# Altium PCB PCB1.PcbDoc (continued)
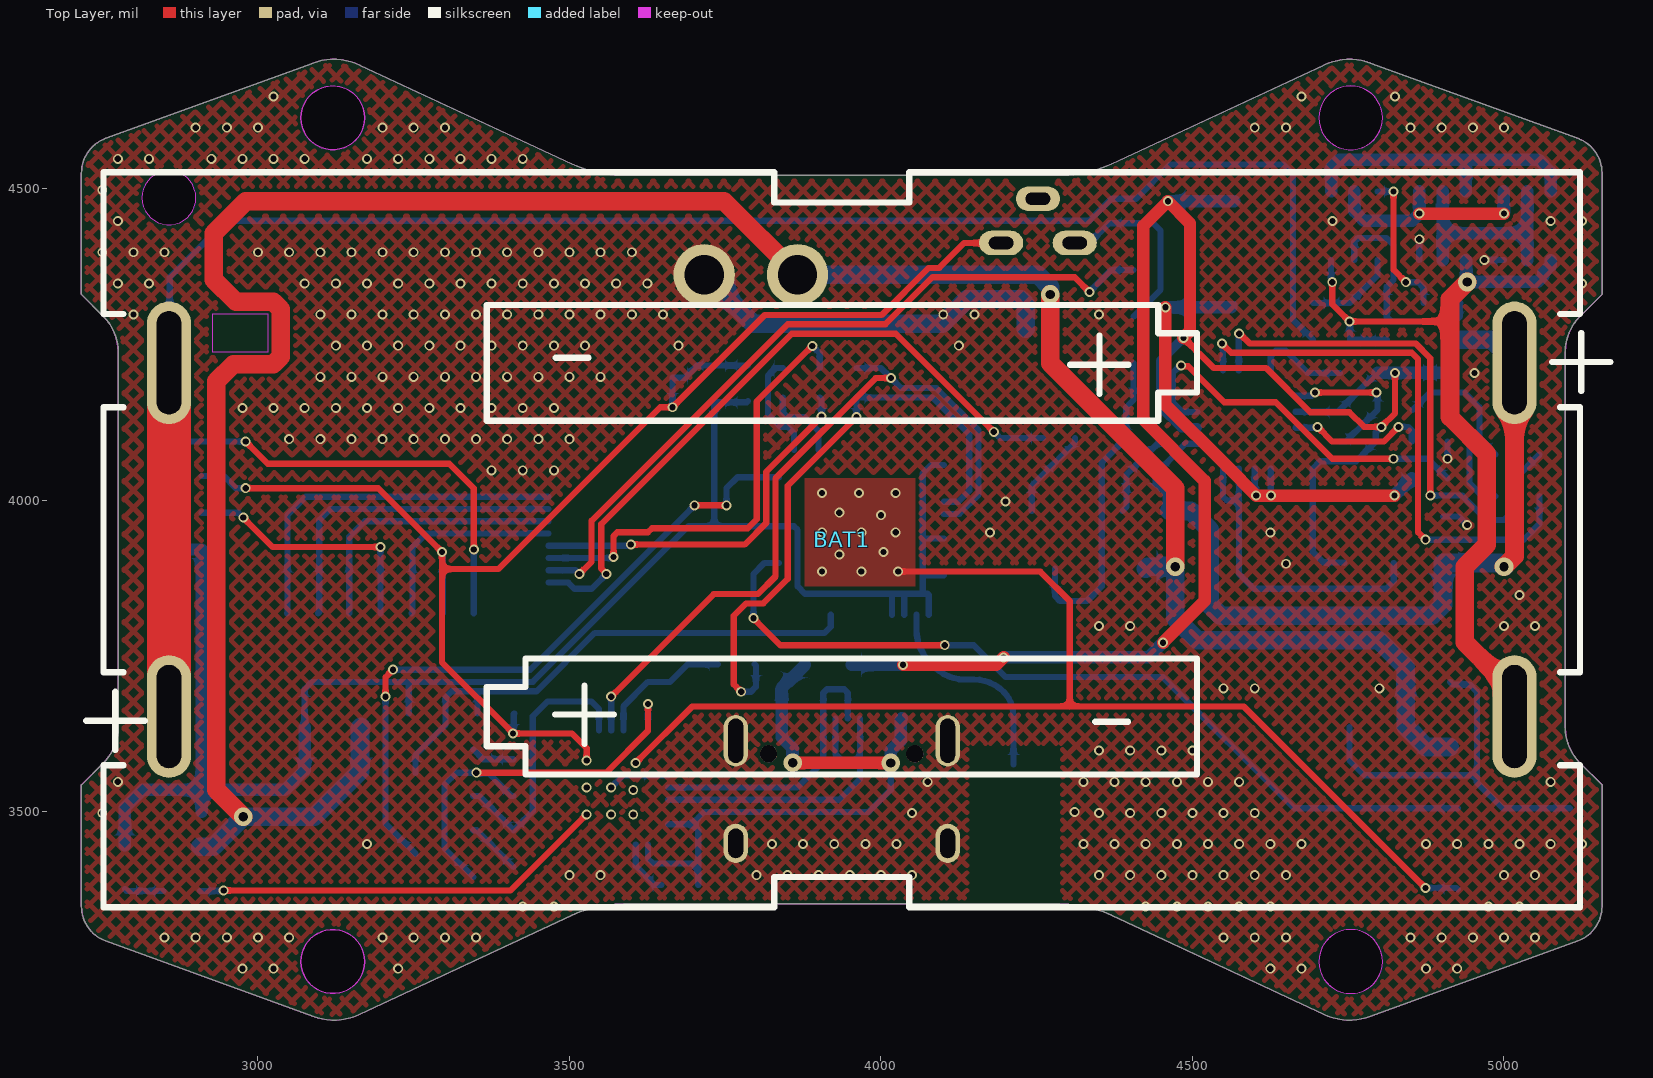
[diagram p0: Top Layer view]
## Nets (pads, with @x,y where several pads share a name; then routed paths per layer and width w, separated by ;. In a path a pad name is that pad's centre, name@x,y a point inside that pad or via, vN(x,y) a via of type N, cw(c..) or ccw(c..) an arc to the next point about the centre after c; other vN are vias at no path point)
3v3: C5.2 C9.2 C10.2 D1.1 K2.3 R20.2 R21.2 U3.2 U6.1 U6.3 U6.4 U6.19 U6.37 U6.43 U6.46 | length 2953.7
  Bottom Layer w10: U3.2 3074.8,3696.85 3086.61,3708.66 3244.09,3708.66 ; R20.2 3242.13,3706.69 3244.09,3708.66 ; C9.2@3786.65,4159.45 3784.68,4157.48 C10.2 3732.28,3958.66 ; U6.4 4017.72,3848.43 4019.68,3850.39 ; U6.3 4037.4,3848.43 4039.37,3850.39 ; U6.1 4076.77,3848.43 4074.8,3850.39 4066.93,3850.39 ; U6.46 4068.9,3879.92 4066.93,3881.89 ; U6.43 4068.9,3938.98 4066.93,3937.01 ; U6.37 4080.66,4057.09 4066.93,4043.35 4066.93,3937.01 ; 3244.09,3708.66 3440.94,3708.66 3690.94,3958.66 3732.28,3958.66 ; 3732.28,3958.66 U6.19 3860.24,3958.66 3866.14,3952.76 3866.14,3862.2 3877.95,3850.39 4019.68,3850.39 ; 4019.68,3850.39 4039.37,3850.39 ; 4039.37,3850.39 4066.93,3850.39 ; 4066.93,3850.39 4066.93,3881.89 ; 4066.93,3881.89 4066.93,3937.01
  Bottom Layer w20: D1.1 2786.4,3506.87 2814.96,3535.43 2909.45,3535.43 ; R21.2 2853.58,3937.76 2870.08,3921.26 K2.3 2909.45,3535.43 ; C5.2 2909.45,3535.43 ; U3.2 3074.8,3566.93 3043.31,3535.43 2909.45,3535.43
5V: C1.2 D7.1 U1.2 | length 629.8
  Bottom Layer w10: U1.2 4751.97,3582.68 4775.59,3559.06 4956.69,3559.06 ; C1.2 4917.32,3704.72 4944.88,3704.72 4956.69,3692.91 4956.69,3559.06 ; D7.1 4997.99,3505.94 4956.69,3547.24 4956.69,3559.06
8V4: C2.2 C6.2 CON1.1 Q1.3 U1.3 U3.3 XS1.1 | length 4214.2
  Top Layer w30: v2(2976.38,3492.13) 2933.07,3535.43 2933.07,4191.29 2960.63,4218.85 3024.74,4218.85 3036.46,4230.56 3036.46,4307.13 3024.74,4318.85 2964.62,4318.85 2929.13,4354.33 2929.13,4429.13 2980.32,4480.31 3748.03,4480.31 XS1.1 ; v2(4271.65,4330.71) 4271.65,4220.47 4472.44,4019.68 v2(4472.44,3893.7)
  Bottom Layer w30: C6.2 2928.39,3444.13 v2(2976.38,3492.13) 3090.55,3492.13 3163.77,3565.35 3163.77,3634.72 U3.3 ; XS1.1 4251.97,4362.2 4271.65,4342.52 v2(4271.65,4330.71) CON1.1 ; Q1.3 4428.15,3893.7 v2(4472.44,3893.7) 4472.44,3811.02 4507.87,3775.59 4799.21,3775.59 4842.52,3732.28 U1.3 4874.49,3604.33 C2.2
BAT: BAT1.3 C11.2 Q1.2 R3.1 R4.2 U5.9 | length 1342.7
  Top Layer w30: v2(5000,3893.7) 5016.93,3910.63 BAT1.3
  Bottom Layer w10: R4.2 4445.63,4047.99 4488.56,4090.92 U5.9
  Bottom Layer w20: R4.2 4445.63,4030.75 4462.6,4013.78 Q1.2
  Bottom Layer w30: Q1.2 4497.05,3983.27 4527.56,3952.76 4527.56,3832.53 4545.13,3814.96 4884.59,3814.96 4902.16,3832.53 C11.2 4994.09,3899.61 v2(5000,3893.7) ; R3.1 4979.92,4257.87 BAT1.3
CP_Rx: K4.3 U4.25 U6.41 | length 1216.8
  Top Layer w10: v1(3566.93,3685.04) 3731.54,3849.65 3802.4,3849.65 3830.71,3877.95 3830.71,4035.43 3991.75,4196.48 v1(4016.12,4196.48)
  Bottom Layer w10: U4.25 v1(3566.93,3685.04) ; K4.3 4000,4212.6 4032.24,4180.35 4088.89,4180.35 4156.73,4112.51 4156.73,4009.53 4125.54,3978.35 U6.41
CP_Tx: K3.3 R17.1 U6.40 | length 983.2
  Top Layer w10: v1(3775.59,3692.91) 3763.78,3704.72 3763.78,3814.96 3783.46,3834.65 3811.02,3834.65 3850.39,3874.02 3850.39,4023.62 v1(3960.63,4133.86)
  Bottom Layer w10: v1(3775.59,3692.91) 3791.34,3692.91 3799.21,3700.79 3799.21,3735 R17.1 ; v1(3960.63,4133.86) K3.3 4082.68,4165.35 4141.73,4106.3 4141.73,4015.75 4124.02,3998.03 U6.40
DGND: C9.1 C10.1 C14.1 D7.3 K2.1 K5.2 MOD1.2 R1.2 R9.1 U4.3 U4.29 U6.0 | length 5059.3
  Top Layer w10: v1(2944.88,3374.02) 3405.51,3374.02 v1(3527.56,3496.06) ; v1(2980.32,4019.68) 3192.91,4019.68 v1(3295.28,3917.32) 3295.28,3889.76 ; v1(3527.56,3582.68) 3527.56,3602.36 3503.94,3625.98 v1(3409.45,3625.98) 3295.28,3740.16 3295.28,3889.76 ; v1(3606.3,3578.74) 3696.85,3669.29 4303.15,3669.29 ; v1(4027.56,3885.83) 4255.91,3885.83 4303.15,3838.58 4303.15,3669.29 ; K5.2 4133.86,4413.39 4093.74,4373.27 4076.46,4373.27 4000.91,4297.72 3813.46,4297.72 v1(3665.35,4149.61) 3645.67,4149.61 3385.83,3889.76 3295.28,3889.76 ; v1(4874.02,3377.95) 4582.68,3669.29 4303.15,3669.29
  Bottom Layer w10: R1.2 2944.13,3373.27 v1(2944.88,3374.02) ; K2.1 2944.88,4039.37 2964.57,4019.68 v1(2980.32,4019.68) ; v1(3295.28,3917.32) 3296.46,3916.14 MOD1.2 ; v1(3409.45,3625.98) 3410.43,3626.97 3410.43,3657.24 C14.1 ; v1(3566.93,3539.37) 3586.61,3559.06 U4.3 ; v1(3665.35,4149.61) R9.1 3685.04,4196.85 3704.72,4216.54 C10.1 C9.1 ; v1(4874.02,3377.95) 4923.74,3377.95 D7.3
  other v1: 3566.93,3496.06 3602.36,3496.06 3602.36,3535.43 3527.56,3539.37 3905.51,3885.83 3968.5,3885.83 3933.07,3913.39 4003.94,3917.32 3905.51,3948.82 3968.5,3948.82 4023.62,3948.82 4000,3976.38 3933.07,3980.32 3905.51,4011.81 3964.57,4011.81 4023.62,4011.81
DTR: Q6.2 R18.1 U4.28 | length 690.8
  Top Layer w10: v1(3350.39,3562.99) 3559.06,3562.99 3625.98,3629.92 v1(3625.98,3673.23)
  Bottom Layer w10: Q6.2 3299.21,3441.93 3299.21,3543.31 3318.9,3562.99 v1(3350.39,3562.99) 3351.54,3561.84 3370.6,3561.84 3386.21,3546.24 3386.21,3545.64 3406.26,3525.59 R18.1 ; U4.28 v1(3625.98,3673.23)
EN: C14.2 Q5.3 R20.1 U6.9 | length 861.3
  Bottom Layer w10: Q5.3 3252.95,3591.54 3301.18,3639.76 R20.1 3301.18,3683.82 3311.02,3693.66 3354.33,3693.66 ; C14.2 3352.36,3691.69 3354.33,3693.66 ; U6.9 3919.29,3797.24 3909.45,3787.4 3540.9,3787.4 3447.16,3693.66 3354.33,3693.66
ESP_RX: K4.1 U6.25 | length 172.3
  Bottom Layer w10: K4.1 3830.71,4212.6 3818.74,4200.63 3818.74,4137.95 3838.58,4118.11 3850.39,4118.11 3860.24,4108.27 U6.25
ESP_TX: K3.1 U6.27 | length 123.9
  Bottom Layer w10: K3.1 3842.52,4141.73 3850.39,4133.86 3877.95,4133.86 3899.61,4112.2 U6.27
FLASH_CLK: U6.31
FLASH_SD1: U6.33
FLASH_SD2: U6.30
FLASH_SD3: U6.32
GPIO0: Q6.3 U6.23 | length 1083.9
  Top Layer w10: v1(3204.72,3685.04) 3204.72,3716.54 v1(3216.54,3728.35) ; v1(3700.79,3992.13) v1(3751.97,3992.13)
  Bottom Layer w10: v1(3204.72,3685.04) 3204.72,3481.3 Q6.3 ; v1(3216.54,3728.35) 3437.01,3728.35 v1(3700.79,3992.13) ; v1(3751.97,3992.13) 3751.97,4019.69 3769.68,4037.4 U6.23
GPIO2: U6.22
GPIO4: U6.24
GPIO5: U6.34
GPIO9: U6.28
GPIO10: U6.29
GPIO12: U6.18
GPIO13: U6.20
GPIO14: U6.17
GPIO15: U6.21
GPIO18: U6.35
GPIO19: U6.38
GPIO21: U6.42
GPIO22: U6.39
GPIO23: U6.36
GPIO25: U6.14
GPIO26: U6.15
GPIO27: D7.4 U6.16 | length 1375.9
  Top Layer w10: v1(3795.28,3811.02) 3838.58,3767.72 v1(4102.36,3767.72)
  Bottom Layer w10: v1(3795.28,3811.02) 3795.28,3881.89 3812.99,3899.61 U6.16 ; v1(4102.36,3767.72) 4148.88,3767.72 4200.06,3716.54 4452.76,3716.54 4663.35,3505.94 D7.4
GPIO32: U6.12
GPIO33: U6.13
GPIO34: U6.10
GPIO35: U6.11
GPIO37: U6.6
GPIO38: U6.7
NetA1_1: A1.1 U6.2 | length 334.7
  Bottom Layer w10: U6.2 4057.09,3792.43 ccw(c4131.02,3792.43) 4078.74,3740.16 4086.81,3732.09 ccw(c4133.86,3779.13) 4133.86,3712.6 4149.33,3712.6 cw(c4149.33,3645.39) 4196.85,3692.91 cw(c4158.83,3654.89) 4212.6,3654.89 A1.1
NetBAT1_1: BAT1.1 BAT1.4 R2.1 | length 2869.4
  Top Layer w70: BAT1.1 BAT1.4
  Bottom Layer w10: BAT1.4 2858.27,4222.05 2858.27,4358.27 2948.82,4448.82 4334.65,4448.82 4370.08,4484.25 4409.45,4484.25 4464.57,4539.37 4645.67,4539.37 4661.42,4523.62 4661.42,4290.12 R2.1
NetBAT1_2: BAT1.2 C3.1 C4.1 Q2.1 Q4.1 U2.6 | length 1343.1
  Top Layer w10: v1(4724.41,4350.39) 4724.41,4314.96 v1(4751.97,4287.4) 4913.39,4287.4
  Top Layer w30: v2(4941.25,4350.71) 4913.39,4322.84 4913.39,4287.4 4913.39,4133.86 4972.44,4074.8 4972.44,3929.13 4937.01,3893.7 4937.01,3772.56 4985.61,3723.96 4998.05,3723.96 5016.93,3705.08 BAT1.2
  Bottom Layer w10: U2.6 4722.44,4352.36 v1(4724.41,4350.39) ; v1(4751.97,4287.4) 4752.72,4286.65 C3.1 C4.1
  Bottom Layer w20: Q2.1 4939.8,4384.99 4939.8,4352.16 v2(4941.25,4350.71) ; v2@4941.25,4348.43 4943.53,4350.71 5054.01,4350.71 5063.23,4359.93 5063.23,4365.4 5074.8,4376.97 Q4.1
NetC3_2: C3.2 R2.2 U2.4 | length 146.4
  Bottom Layer w10: R2.2 C3.2 4797.24,4361.45 U2.4
NetC4_2: C4.2 R3.2 U2.5 | length 364.9
  Bottom Layer w10: U2.5 4759.84,4415.4 4765.7,4421.26 4811.02,4421.26 4822.83,4409.45 4822.83,4354.33 4811.77,4343.27 C4.2 4811.77,4294.53 4818.9,4287.4 4921.26,4287.4 4929.13,4295.28 4929.13,4316.18 R3.2
NetC8_1: C8.1 L1.2 U5.5 U5.6 | length 823.5
  Top Layer w20: v1(4456.69,4310.06) 4456.69,4153.54 4555.12,4055.12 v1(4602.36,4007.87) v1(4625.98,4007.87) v1(4824.34,4007.87)
  Bottom Layer w10: L1.2@4562.03,4310.06 L1.2 ; U5.6 4600.01,4022.03 4602.36,4019.68 v1(4602.36,4007.87) ; U5.5 4625.61,4008.24 v1(4625.98,4007.87)
  Bottom Layer w20: v1(4456.69,4310.06) L1.2@4562.03,4310.06 ; v1(4824.34,4007.87) C8.1
NetC8_2: C8.2 U5.3 | length 227.1
  Top Layer w10: v1(4700.79,4118.11) 4724.41,4094.49 4807.09,4094.49 v1(4830.71,4118.11)
  Bottom Layer w10: U5.3 4699.4,4116.72 v1(4700.79,4118.11) ; v1(4830.71,4118.11) 4846.46,4118.11 4851.9,4112.66 C8.2
NetC13_2: C13.2 U5.7 U5.8 | length 535.3
  Bottom Layer w10: U5.8 4548.81,4006.3 4555.12,4000 4574.8,4000 ; U5.7 4574.8,4050.79 4574.8,4000 ; C13.2 4823.13,3870.38 4811.02,3858.27 4598.43,3858.27 4574.8,3881.89 4574.8,4000
NetD1_2: D1.2 R1.1 | length 63.2
  Bottom Layer w10: D1.2 2789.12,3373.27 R1.1
NetD2_2: D2.2 D3.2 K5.1 | length 311.5
  Bottom Layer w10: K5.1 4334.65,4413.39 4366.14,4444.88 D2.2 4437.01,4444.88 4448.82,4433.07 4448.82,4338.58 D3.2
NetD4_1: D4.1 R14.2 | length 215
  Bottom Layer w10: R14.2 4880.83,4173.23 4937.01,4173.23 4960.63,4149.61 4960.63,4099.39 D4.1
NetD4_2: D4.2 U5.14 | length 866.3
  Top Layer w10: v1(4574.99,4267.72) 4576.02,4267.72 4591.77,4251.97 4858.27,4251.97 4881.89,4228.35 v1(4881.89,4007.87)
  Bottom Layer w10: U5.14 4574.41,4267.14 v1(4574.99,4267.72) ; v1(4881.89,4007.87) 4933.07,4007.87 4972.44,3968.5 5000,3968.5 5019.69,3988.19 5019.69,4036.41 D4.2
NetD5_1: D5.1 R15.2 | length 185
  Bottom Layer w10: R15.2 4913.39,4145.67 4944.88,4114.17 4944.88,4027.56 4965.57,4006.87 D5.1
NetD5_2: D5.2 U5.13 | length 902
  Top Layer w10: v1(4547.24,4251.97) 4562.24,4236.97 4852.05,4236.97 4862.2,4226.82 4862.2,3948.82 v1(4874.02,3937.01)
  Bottom Layer w10: v1(4547.24,4251.97) 4548.81,4250.4 U5.13 ; v1(4874.02,3937.01) 5031.5,3937.01 5057.08,3962.59 D5.2
NetK2_2: K2.2 MOD1.4 | length 416.7
  Top Layer w10: v1(2976.38,3972.44) 3023.62,3925.2 v1(3196.85,3925.2)
  Bottom Layer w10: K2.2 2968.5,3980.32 v1(2976.38,3972.44) ; MOD1.4 3196.46,3924.8 v1(3196.85,3925.2)
NetMOD1_1: MOD1.1 R21.1 | length 762.8
  Top Layer w10: v1(2980.32,4094.49) 3015.75,4059.06 3307.09,4059.06 3346.46,4019.68 v1(3346.46,3921.26)
  Bottom Layer w10: R21.1 2853.58,4062.24 2885.83,4094.49 v1(2980.32,4094.49) ; MOD1.1 v1(3346.46,3921.26)
NetQ1_1: Q1.1 R4.1 R6.2 | length 141.1
  Bottom Layer w10: Q1.1 4393.95,3989.42 R6.2 4445.63,4093.02 R4.1
NetQ2_2: Q2.2 Q2.5 Q4.2 Q4.5 | length 356.3
  Bottom Layer w20: Q2.2 4901.57,4429.13 ; Q2.5 4901.57,4429.13 ; Q4.2 5037.41,4429.13 ; Q4.5 5037.41,4429.13 ; 4901.57,4429.13 5037.41,4429.13
NetQ2_4: Q2.4 Q4.4 U2.2 | length 354
  Top Layer w20: v1(4864.18,4460.53) 4999.9,4460.53 v1(5000,4460.63)
  Bottom Layer w20: U2.2 4759.84,4464.57 4775.59,4448.82 4852.46,4448.82 v1(4864.18,4460.53) Q2.4 ; v1(5000,4460.63) Q4.4
NetQ2_6: Q2.6 Q4.6 U2.1 | length 487.5
  Bottom Layer w6: 4938.97,4545.27 4940.94,4547.24
  Bottom Layer w20: U2.1 4722.44,4534.13 4735.56,4547.24 4940.94,4547.24 5055.12,4547.24 5074.8,4527.56 Q4.6 ; Q2.6 4938.97,4545.27
NetQ3_1: Q3.1 R7.1 R8.2 | length 145.9
  Bottom Layer w10: Q3.1 4242.13,4023.62 R7.1 4311.52,4093.02 R8.2
NetQ5_1: Q5.1 R18.2 | length 71.2
  Bottom Layer w10: Q5.1 3361.22,3584.65 R18.2
NetQ6_1: Q6.1 R19.2 | length 89.2
  Bottom Layer w10: Q6.1 3351.14,3470.47 R19.2
NetR5_2: R5.2 U2.3 | length 236.1
  Top Layer w10: v1(4822.83,4496.06) 4822.83,4370.08 v1(4842.52,4350.39)
  Bottom Layer w10: U2.3 v1(4822.83,4496.06) ; v1(4842.52,4350.39) 4862.2,4350.39 4870.83,4341.77 R5.2
NetR10_1: R10.1 R12.1 U5.1 | length 241.9
  Top Layer w10: v1(4696.85,4173.23) v1(4795.28,4173.23)
  Bottom Layer w10: U5.1 4691.54,4167.92 v1(4696.85,4173.23) ; R12.1 4745.91,4094.49 R10.1 4797.09,4171.42 v1(4795.28,4173.23)
NetR11_2: R11.2 U4.9 | length 88.6
  Bottom Layer w10: U4.9 3606.3,3413.39 3637.05,3382.64 R11.2
NetR13_2: R13.2 U5.16 | length 152.5
  Bottom Layer w10: U5.16 4625.61,4231.91 4633.86,4240.16 4649.61,4240.16 4685.04,4204.72 R13.2
NetR16_2: R16.2 U5.11 | length 614
  Top Layer w10: v1(4481.88,4216.67) 4483.03,4215.52 4493.14,4215.52 4551.18,4157.48 4633.86,4157.48 4724.41,4066.93 v1(4822.83,4066.93)
  Bottom Layer w10: v1(4481.88,4216.67) 4480.25,4216.67 4468.5,4204.92 4468.5,4157.48 4483.86,4142.12 U5.11 ; v1(4822.83,4066.93) 4877.95,4066.93 R16.2
NetR17_2: R17.2 U4.26 | length 218
  Bottom Layer w10: U4.26 3586.61,3669.29 3625.98,3708.66 3661.42,3708.66 3689.72,3736.97 R17.2
NRF_CE: CON2.4 MOD1.3 | length 334
  Bottom Layer w10: MOD1.3 3248.03,3820.47 3248.03,3925.2 3269.69,3946.85 CON2.4
NRF_SPI_MISO: CON2.1 MOD1.7 | length 588.9
  Bottom Layer w10: MOD1.7 3047.24,3819.68 3047.24,3976.38 3076.77,4005.91 CON2.1
NRF_SPI_MOSI: CON2.2 MOD1.6 | length 525.5
  Bottom Layer w10: MOD1.6 3098.43,3820.87 3098.43,3968.5 3116.14,3986.22 CON2.2
NRF_SPI_SCK: CON2.3 MOD1.5 | length 452.8
  Bottom Layer w10: MOD1.5 3146.46,3941.73 3171.26,3966.54 CON2.3
PGND: C1.1 C2.1 C5.1 C6.1 C7.2 C11.1 C12.1 C13.1 CON1.0 CON1.2 CON2.0 Q2.3 Q3.2 Q4.3 R5.1 R8.1 R9.2 R12.2 R16.1 U1.1 U3.1 U5.4 U5.12 U5.15 U5.17 USB1.13 USB1.14 USB1.15 USB1.16 USB1.A1B12 USB1.B1A12 XS1.2 | length 747.5
  Bottom Layer w10: v1@4862.2,4421.26 v1(4864.18,4419.29) Q2.3 ; C11.1 4927.16,3974.41 v1(4940.94,3960.63) ; v1(4909.45,4066.93) R16.1 ; v1(4968.5,4385.83) Q4.3
  Bottom Layer w30: XS1.2 3794.88,4283.46 4098.43,4283.46 4137.8,4322.83 4224.41,4322.83 4232.28,4314.96 CON1.2
  other v1: 2975,3248.43 3025,3248.43 3225,3248.43 4625,3248.43 4675,3248.43 4875,3248.43 4925,3248.43 2850,3298.43 2900,3298.43 2950,3298.43 3000,3298.43 3050,3298.43 3200,3298.43 3250,3298.43 3300,3298.43 3350,3298.43 4550,3298.43 4600,3298.43 4650,3298.43 4850,3298.43 4900,3298.43 4950,3298.43 5000,3298.43 5050,3298.43 3425,3348.43 3475,3348.43 4425,3348.43 4475,3348.43 4525,3348.43 4575,3348.43 4625,3348.43 4975,3348.43 5025,3348.43 3500,3398.43 3550,3398.43 3800,3398.43 3850,3398.43 3900,3398.43 3950,3398.43 4000,3398.43 4050,3398.43 4350,3398.43 4400,3398.43 4450,3398.43 4500,3398.43 4550,3398.43 4600,3398.43 4650,3398.43 5000,3398.43 5050,3398.43 3175,3448.43 3825,3448.43 3875,3448.43 3925,3448.43 3975,3448.43 4025,3448.43 4325,3448.43 4375,3448.43 4425,3448.43 4475,3448.43 4525,3448.43 4575,3448.43 4625,3448.43 4675,3448.43 4875,3448.43 4925,3448.43 4975,3448.43 5025,3448.43 5075,3448.43 5125,3448.43 2750,3498.43 4050,3498.43 4350,3498.43 4400,3498.43 4450,3498.43 4500,3498.43 4550,3498.43 4600,3498.43 4311.02,3500 2775,3548.43 4075,3548.43 4325,3548.43 4375,3548.43 4425,3548.43 4475,3548.43 4525,3548.43 4575,3548.43 5075,3548.43 4350,3598.43 4400,3598.43 4450,3598.43 4500,3598.43 4550,3698.43 4600,3698.43 4800,3698.43 4350,3798.43 4400,3798.43 5000,3798.43 5050,3798.43 5025,3848.43 4650,3898.43 4175,3948.43 4625,3948.43 4200,3998.43 3375,4048.43 3425,4048.43 3475,4048.43 3050,4098.43 3100,4098.43 3150,4098.43 3200,4098.43 3250,4098.43 3300,4098.43 3350,4098.43 3400,4098.43 3450,4098.43 3500,4098.43 2975,4148.43 3025,4148.43 3075,4148.43 3125,4148.43 3175,4148.43 3225,4148.43 3275,4148.43 3325,4148.43 3375,4148.43 3425,4148.43 3475,4148.43 3100,4198.43 3150,4198.43 3200,4198.43 3250,4198.43 3300,4198.43 3350,4198.43 3400,4198.43 3450,4198.43 3500,4198.43 3550,4198.43 4952.76,4204.72 3125,4248.43 3175,4248.43 3225,4248.43 3275,4248.43 3325,4248.43 3375,4248.43 3425,4248.43 3475,4248.43 3525,4248.43 3675,4248.43 4125,4248.43 2800,4298.43 3100,4298.43 3150,4298.43 3200,4298.43 3250,4298.43 3300,4298.43 3350,4298.43 3400,4298.43 3450,4298.43 3500,4298.43 3550,4298.43 3600,4298.43 3650,4298.43 4100,4298.43 4150,4298.43 4350,4298.43 2775,4348.43 2825,4348.43 3075,4348.43 3125,4348.43 3175,4348.43 3225,4348.43 3275,4348.43 3325,4348.43 3375,4348.43 3425,4348.43 3475,4348.43 3525,4348.43 3575,4348.43 3625,4348.43 5125,4348.43 2750,4398.43 2800,4398.43 2850,4398.43 3000,4398.43 3050,4398.43 3100,4398.43 3150,4398.43 3200,4398.43 3250,4398.43 3300,4398.43 3350,4398.43 3400,4398.43 3450,4398.43 3500,4398.43 3550,4398.43 3600,4398.43 2775,4448.43 4725,4448.43 5075,4448.43 5125,4448.43 2750,4498.43 2775,4548.43 2825,4548.43 2925,4548.43 2975,4548.43 3025,4548.43 3075,4548.43 3175,4548.43 3225,4548.43 3275,4548.43 3325,4548.43 3375,4548.43 3425,4548.43 2900,4598.43 2950,4598.43 3000,4598.43 3200,4598.43 3250,4598.43 3300,4598.43 4600,4598.43 4650,4598.43 4850,4598.43 4900,4598.43 4950,4598.43 5000,4598.43 3025,4648.43 4675,4648.43 4825,4648.43
POWER_EN: CON2.8 R7.2 | length 1094.9
  Top Layer w10: v1(3559.06,3881.89) 3559.06,3882.87 3551.18,3890.75 3551.18,3962.16 3856.74,4267.72 4023.62,4267.72 v1(4181.1,4110.24)
  Bottom Layer w10: CON2.8 3498.03,3868.11 3507.87,3858.27 3535.43,3858.27 v1(3559.06,3881.89) ; v1(4181.1,4110.24) 4190.94,4100.39 R7.2
POWER_NET: D3.1 Q3.3 R6.1 | length 511.8
  Bottom Layer w10: Q3.3 4279.53,3846.46 4287.4,3838.58 4330.71,3838.58 4354.33,3862.2 4354.33,4060.77 R6.1 4393.7,4100.64 4393.7,4149.61 4405.51,4161.42 D3.1
RTS: Q5.2 R19.1 U4.24 | length 438.8
  Bottom Layer w10: Q5.2 3355.08,3525.59 R19.1 3440.94,3501.22 3440.94,3653.54 3464.57,3677.17 3535.43,3677.17 3547.24,3665.35 U4.24
SENSOR_VN: U6.8
SENSOR_VP: U6.5
USART-Debug-RX: CON2.5 K3.2 | length 604.4
  Top Layer w10: v1(3598.43,3929.13) 3781.06,3929.13 3815.71,3963.79 3815.71,4045.89 v1(3904.59,4134.78)
  Bottom Layer w10: CON2.5 3594.83,3927.17 3596.8,3929.13 v1(3598.43,3929.13) ; K3.2 3904.59,4162.33 v1(3904.59,4134.78)
USART-Debug-TX: CON2.6 K4.2 | length 735.5
  Top Layer w10: v1(3570.87,3909.17) 3570.87,3942.96 3576.72,3948.82 3625.98,3948.82 3632.65,3955.49 3786.2,3955.49 3800.71,3970 3800.71,4158.98 v1(3889.76,4248.03)
  Bottom Layer w10: CON2.6 3567.56,3907.48 3569.24,3909.17 v1(3570.87,3909.17) ; v1(3889.76,4248.03) 3901.57,4236.22 K4.2
USB-PWR-DM: U4.5 USB1.A7 USB1.B7 | length 520.1
  Bottom Layer w10: U4.5 3933.07,3519.69 3966.54,3553.15 3966.54,3582.68 ; USB1.A7 3927.17,3592.52 3937.01,3582.68 3966.54,3582.68 ; USB1.B7 3966.54,3582.68
USB-PWR-DP: U4.4 USB1.A6 USB1.B6 | length 461.4
  Bottom Layer w10: U4.4 3866.14,3539.37 3907.48,3580.71 USB1.B6 3907.48,3690.95 3913.39,3696.85 3940.94,3696.85 3946.85,3690.94 USB1.A6
USB_5V: C7.1 C12.2 D6.2 L1.1 R10.2 R13.1 R14.1 R15.1 U5.2 U5.10 | length 2933.7
  Top Layer w10: v1(4485.54,4261.13) 4534.07,4212.6 4618.11,4212.6 4688.98,4141.73 4751.97,4141.73 4775.59,4118.11 v1(4803.15,4118.11) 4825.18,4140.14 v1(4825.18,4204.72)
  Top Layer w20: v1(4035.43,3736.22) 4185.04,3736.22 v1(4196.85,3748.03) ; v1(4452.76,3771.65) 4519.69,3838.58 4519.69,4031.5 4421.26,4129.92 4421.26,4440.94 v1(4460.63,4480.31) 4496.06,4444.88 4496.06,4271.65 v1(4485.54,4261.13)
  Bottom Layer w10: U5.2 4733.47,4142.32 R13.1 4795.87,4204.72 R10.2 ; C12.2 4743.11,3900.6 4709.64,3900.6 4692.91,3917.32 4692.91,4051.18 4704.72,4062.99 4762.86,4062.99 C7.1 4794.36,4109.32 v1(4803.15,4118.11)
  Bottom Layer w15: v1(4485.54,4261.13) 4448.82,4224.41 4448.82,4149.61 4481.9,4116.52 U5.10
  Bottom Layer w20: D6.2 v1(4035.43,3736.22) ; v1(4196.85,3748.03) 4429.13,3748.03 v1(4452.76,3771.65) ; v1(4460.63,4480.31) L1.1 ; R10.2 v1(4825.18,4204.72) R14.1 R15.1
USER_KEY: CON2.7 D2.1 | length 1202.3
  Top Layer w10: v1(3515.75,3881.89) 3535.43,3901.57 3535.43,3967.62 3850.53,4282.72 4007.13,4282.72 4082.68,4358.27 4311.02,4358.27 v1(4334.65,4334.65)
  Bottom Layer w10: CON2.7 3509.84,3887.8 v1(3515.75,3881.89) ; v1(4334.65,4334.65) 4370.08,4370.08 D2.1
VDD_5V: D6.1 R11.1 U4.7 U4.8 USB1.A4B9 USB1.B4A9 | length 1052.6
  Top Layer w20: v2(3858.27,3578.74) 4015.65,3578.74 v2(4015.75,3578.64)
  Bottom Layer w10: U4.8 3625.98,3425.2 3633.86,3417.32 3696.85,3417.32 3706.69,3407.48 ; U4.7 3696.85,3480.32 ; R11.1 3706.69,3407.48 ; v2(4015.75,3578.64) 4015.75,3535.43 3980.31,3500 3716.54,3500 3696.85,3480.32 ; 3696.85,3480.32 3706.69,3470.47 3706.69,3407.48
  Bottom Layer w20: v2(3858.27,3578.74) 3858.27,3602.36 3840.55,3620.08 USB1.B4A9 3840.55,3698.82 D6.1 ; v2(4015.75,3578.64) 4015.75,3598.43 4031.66,3614.33 4031.66,3648.38 USB1.A4B9
pads on no net: A1. D7.2 K5. MOD1.8 U1. U3. U4.1 U4.2 U4.6 U4.10 U4.11 U4.12 U4.13 U4.14 U4.15 U4.16 U4.17 U4.18 U4.19 U4.20 U4.21 U4.22 U4.23 U4.27 U6.26 U6.44 U6.45 U6.47 U6.48 USB1. USB1.A5 USB1.A8 USB1.B5 USB1.B8

## Polygon pours and split planes (outlines as drawn)
PGND on Top Layer "PGND_L01_P002" (hatched 45Degree grid 20 track 8, remove dead copper, pour order 2): 2716.54,3348.44 2716.54,3543.31 2752.53,3579.3 ccw(c2696.85,3634.98) 2775.59,3634.98 2775.59,4239.04 ccw(c2696.85,4239.04) 2752.53,4294.72 2716.54,4330.71 2716.54,4525.58 cw(c2775.59,4525.58) 2755.39,4581.07 3088.03,4702.14 cw(c3121.7,4609.65) 3163.29,4698.86 3503.76,4540.1 ccw(c3586.95,4718.5) 3586.95,4521.65 4287.07,4521.65 ccw(c4287.07,4718.5) 4370.26,4540.1 4710.72,4698.86 cw(c4752.32,4609.65) 4785.98,4702.14 5118.62,4581.07 cw(c5098.43,4525.58) 5157.48,4525.58 5157.48,4330.71 5121.49,4294.72 ccw(c5177.17,4239.04) 5098.43,4239.04 5098.43,3634.98 ccw(c5177.17,3634.98) 5121.49,3579.3 5157.48,3543.31 5157.48,3348.44 cw(c5098.43,3348.44) 5118.62,3292.94 4785.98,3171.87 cw(c4752.32,3264.36) 4710.72,3175.16 4370.26,3333.92 ccw(c4287.07,3155.51) 4287.07,3352.36 3586.95,3352.36 ccw(c3586.95,3155.51) 3503.76,3333.92 3163.29,3175.16 cw(c3121.7,3264.36) 3088.03,3171.87 2755.39,3292.94 cw(c2775.59,3348.44)
DGND on Top Layer "DGND_L01_P000" (solid, remove dead copper, pour order 0): 3877.95,4035.43 3877.95,3862.2 4055.12,3862.2 4055.12,4035.43
PGND on Bottom Layer "PGND_L02_P001" (hatched 45Degree grid 20 track 8, remove dead copper, pour order 1): 2716.54,3348.44 2716.54,3543.31 2752.53,3579.3 ccw(c2696.85,3634.98) 2775.59,3634.98 2775.59,4239.04 ccw(c2696.85,4239.04) 2752.53,4294.72 2716.54,4330.71 2716.54,4525.58 cw(c2775.59,4525.58) 2755.39,4581.07 3088.03,4702.14 cw(c3121.7,4609.65) 3163.29,4698.86 3503.76,4540.1 ccw(c3586.95,4718.5) 3586.95,4521.65 4287.07,4521.65 ccw(c4287.07,4718.5) 4370.26,4540.1 4710.72,4698.86 cw(c4752.32,4609.65) 4785.98,4702.14 5118.62,4581.07 cw(c5098.43,4525.58) 5157.48,4525.58 5157.48,4330.71 5121.49,4294.72 ccw(c5177.17,4239.04) 5098.43,4239.04 5098.43,3634.98 ccw(c5177.17,3634.98) 5121.49,3579.3 5157.48,3543.31 5157.48,3348.44 cw(c5098.43,3348.44) 5118.62,3292.94 4785.98,3171.87 cw(c4752.32,3264.36) 4710.72,3175.16 4370.26,3333.92 ccw(c4287.07,3155.51) 4287.07,3352.36 3586.95,3352.36 ccw(c3586.95,3155.51) 3503.76,3333.92 3163.29,3175.16 cw(c3121.7,3264.36) 3088.03,3171.87 2755.39,3292.94 cw(c2775.59,3348.44)

## Keep-outs
Keep-Out Layer:
  circle w0.5: c3120.08,3259.84 r51.18
  circle w0.5: c4753.94,3259.84 r51.18
  circle w0.5: c4753.94,4614.17 r51.18
  circle w0.5: c3120.08,4614.17 r51.18
  lines w0.5: 2716.54,3348.44 ccw(c2775.59,3348.44) 2755.39,3292.94 3088.03,3171.87 ccw(c3121.7,3264.36) 3163.29,3175.16 3503.76,3333.92 cw(c3586.95,3155.51) 3586.95,3352.36 4287.07,3352.36 cw(c4287.07,3155.51) 4370.26,3333.92 4710.72,3175.16 ccw(c4752.32,3264.36) 4785.98,3171.87 5118.62,3292.94 ccw(c5098.43,3348.44) 5157.48,3348.44 5157.48,3543.31 5121.49,3579.3 cw(c5177.17,3634.98) 5098.43,3634.98 5098.43,4239.04 cw(c5177.17,4239.04) 5121.49,4294.72 5157.48,4330.71 5157.48,4525.58 ccw(c5098.43,4525.58) 5118.62,4581.07 4785.98,4702.14 ccw(c4752.32,4609.65) 4710.72,4698.86 4370.26,4540.1 cw(c4287.07,4718.5) 4287.07,4521.65 3586.95,4521.65 cw(c3586.95,4718.5) 3503.76,4540.1 3163.29,4698.86 ccw(c3121.7,4609.65) 3088.03,4702.14 2755.39,4581.07 ccw(c2775.59,4525.58) 2716.54,4525.58 2716.54,4330.71 2752.53,4294.72 cw(c2696.85,4239.04) 2775.59,4239.04 2775.59,3634.98 cw(c2696.85,3634.98) 2752.53,3579.3 2716.54,3543.31 2716.54,3348.44

## Other copper
Top Layer:
  pour cut-out: 4287.4,3342.52 4291.34,3346.46 4291.34,3610.24 4137.8,3610.24 4137.8,3342.52
Bottom Layer:
  pour cut-out: 4287.4,3342.52 4291.34,3346.46 4291.34,3610.24 4137.8,3610.24 4137.8,3342.52

## Silkscreen, mask and mechanical layers (free items; w line width, h text height)
Bottom Overlay:
  text "GND" at 3613.92,4488.44 h30
  text "8V4" at 4058.8,4488.44 h30
Mechanical 1:
  circle w0.5: c3120.08,3259.84 r51.18
  circle w0.5: c4753.94,3259.84 r51.18
  circle w0.5: c4753.94,4614.17 r51.18
  circle w0.5: c3120.08,4614.17 r51.18
  lines w0.5: 2716.54,3348.44 ccw(c2775.59,3348.44) 2755.39,3292.94 3088.03,3171.87 ccw(c3121.7,3264.36) 3163.29,3175.16 3503.76,3333.92 cw(c3586.95,3155.51) 3586.95,3352.36 4287.07,3352.36 cw(c4287.07,3155.51) 4370.26,3333.92 4710.72,3175.16 ccw(c4752.32,3264.36) 4785.98,3171.87 5118.62,3292.94 ccw(c5098.43,3348.44) 5157.48,3348.44 5157.48,3543.31 5121.49,3579.3 cw(c5177.17,3634.98) 5098.43,3634.98 5098.43,4239.04 cw(c5177.17,4239.04) 5121.49,4294.72 5157.48,4330.71 5157.48,4525.58 ccw(c5098.43,4525.58) 5118.62,4581.07 4785.98,4702.14 ccw(c4752.32,4609.65) 4710.72,4698.86 4370.26,4540.1 cw(c4287.07,4718.5) 4287.07,4521.65 3586.95,4521.65 cw(c3586.95,4718.5) 3503.76,4540.1 3163.29,4698.86 ccw(c3121.7,4609.65) 3088.03,4702.14 2755.39,4581.07 ccw(c2775.59,4525.58) 2716.54,4525.58 2716.54,4330.71 2752.53,4294.72 cw(c2696.85,4239.04) 2775.59,4239.04 2775.59,3634.98 cw(c2696.85,3634.98) 2752.53,3579.3 2716.54,3543.31 2716.54,3348.44